# Altium PCB CT310高端控制盒基板电路V1.0.PcbDoc (part 4 of 8)
Units mil, origin at the board's own origin, x right, y up, seen from the top; angles counter-clockwise.
Board outline 8162.61 x 6196.81 mil, 2 copper layers (Top Layer, Bottom Layer), stack 65.792 mil thick; 265 components, 178 nets, 926 pads, 298 vias.
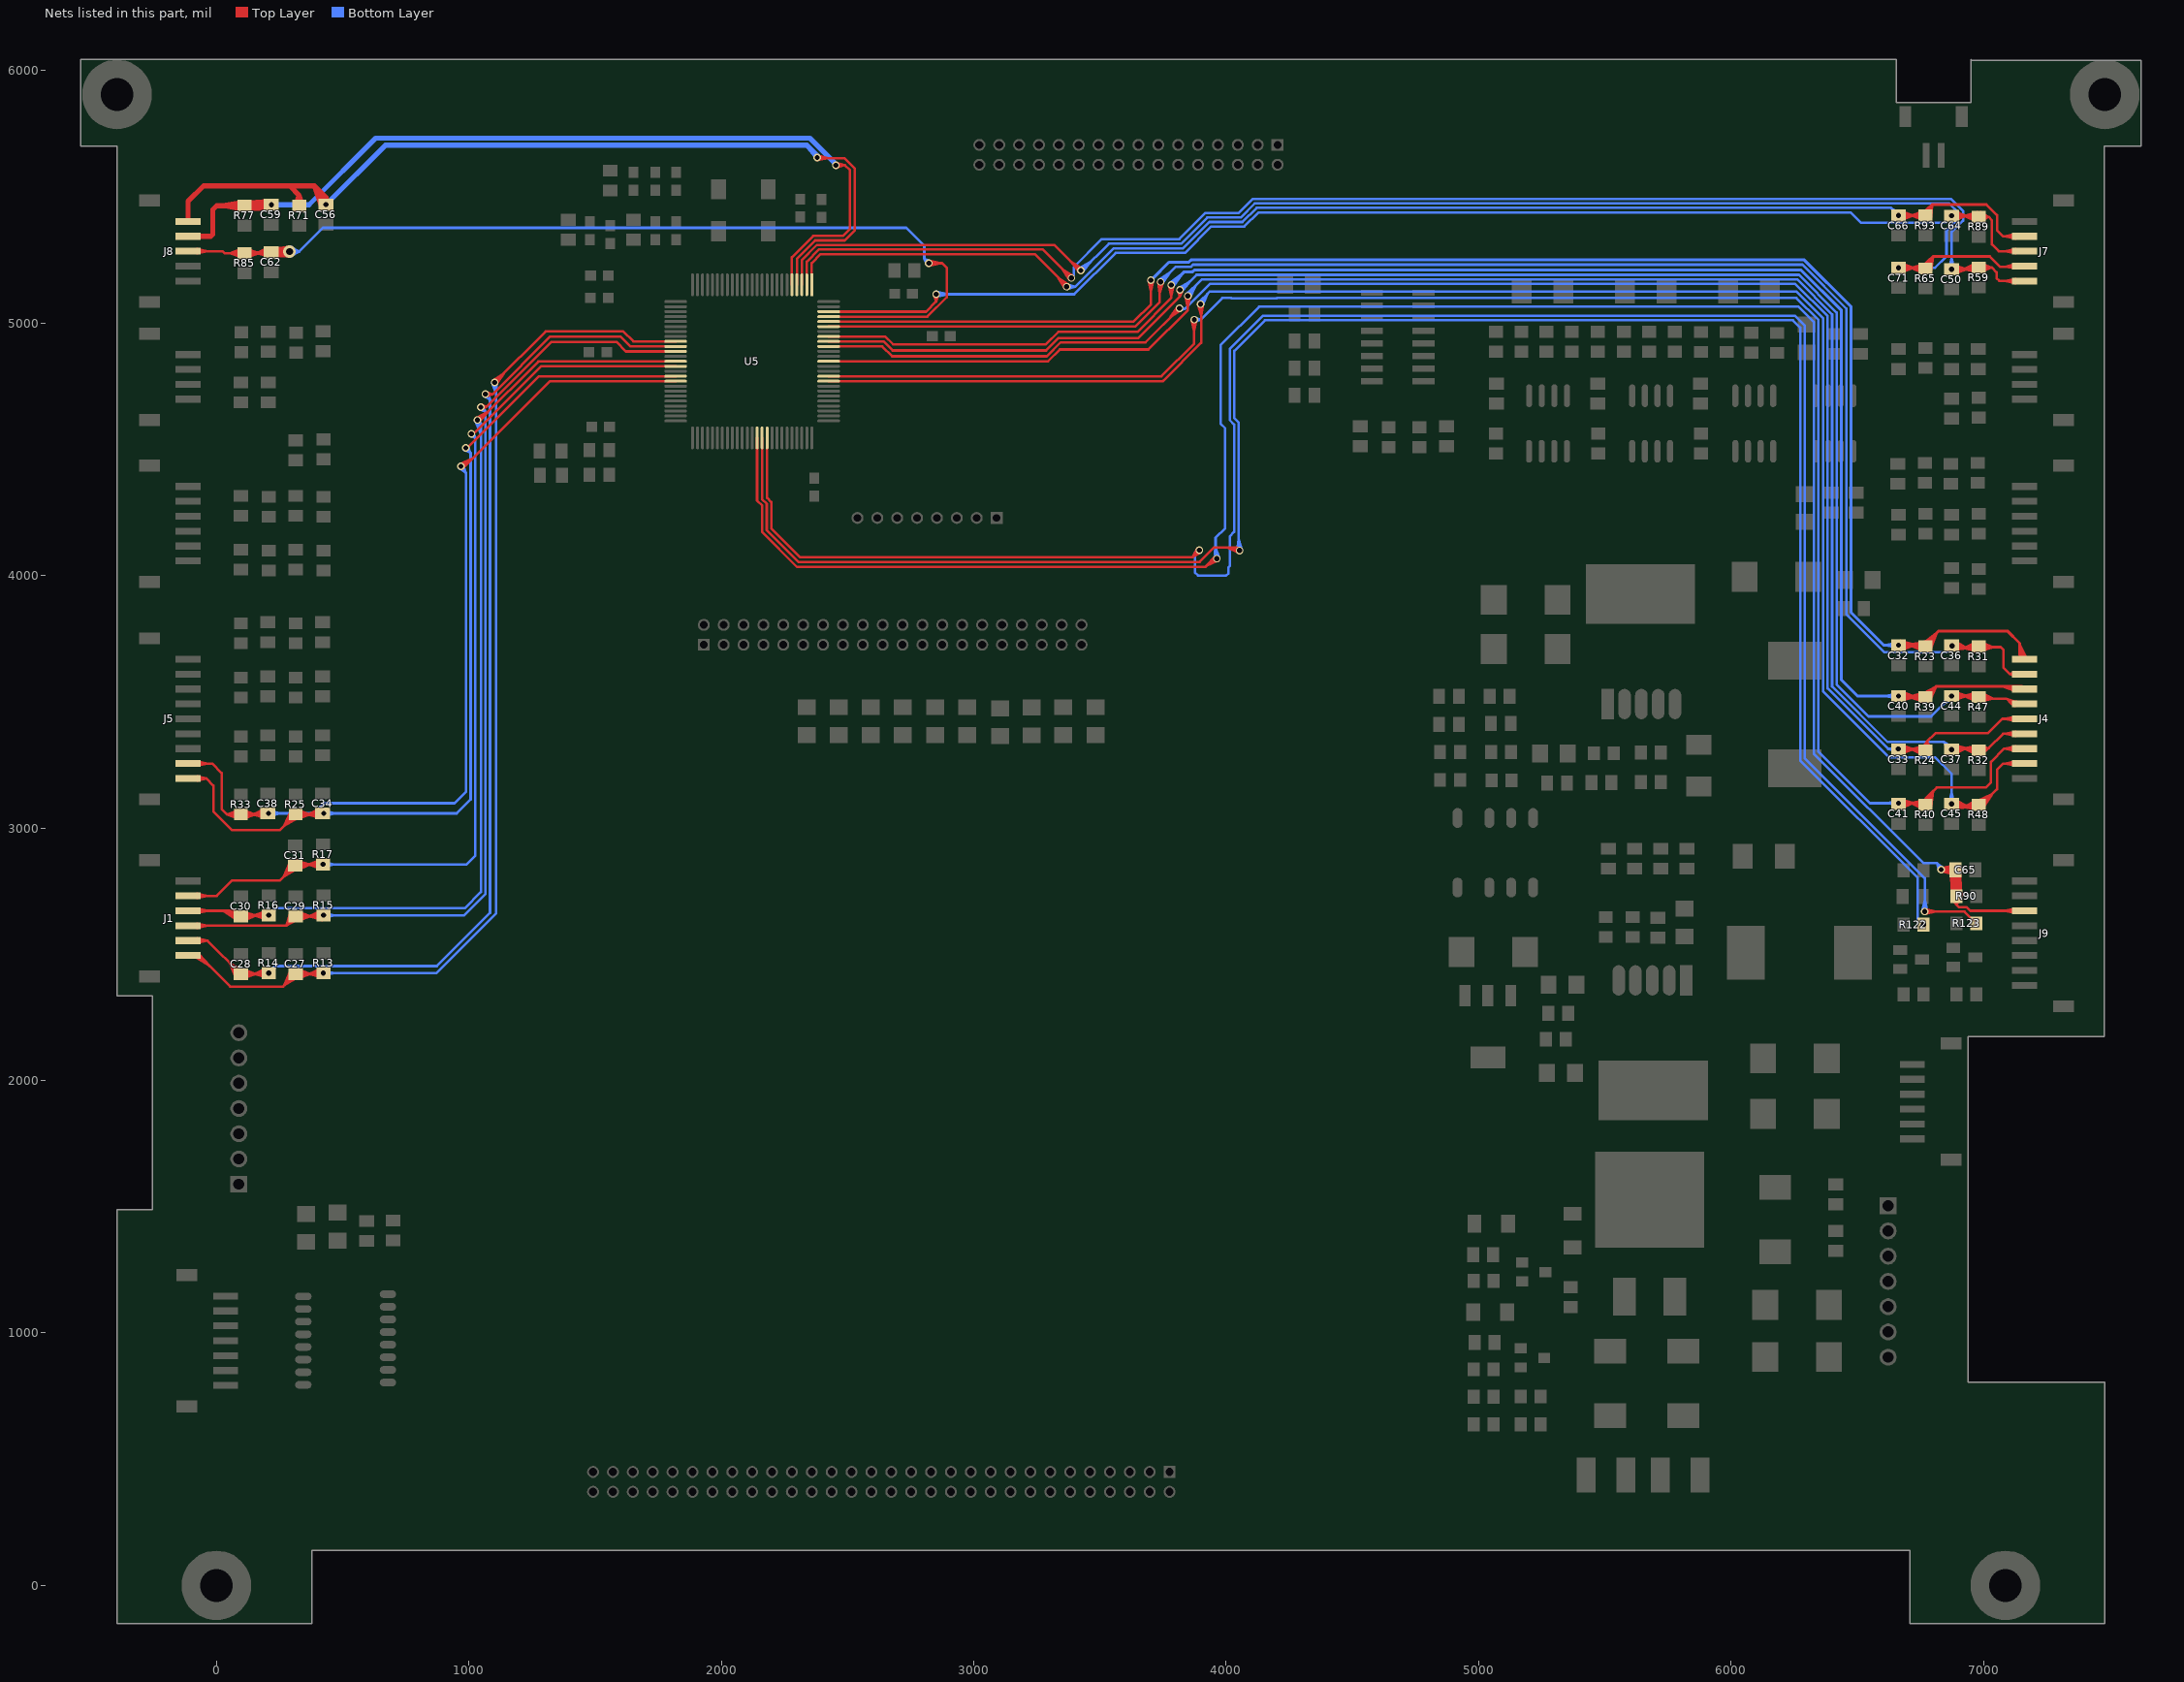
[diagram p4: the nets of this part, all layers, seen from the top]

## Via types
v1: diameter 30, hole 20, Top Layer to Bottom Layer, tented both sides, 226 vias
v2: diameter 60, hole 30, Top Layer to Bottom Layer, tented both sides, 32 vias
v3: diameter 50, hole 30, Top Layer to Bottom Layer, tented both sides, 20 vias
v4: diameter 80, hole 50, Top Layer to Bottom Layer, tented both sides, 10 vias
v5: diameter 50, hole 28, Top Layer to Bottom Layer, tented both sides, 8 vias
v6: diameter 30, hole 16, Top Layer to Bottom Layer, tented both sides, 1 vias
v7: diameter 24, hole 16, Top Layer to Bottom Layer, tented both sides, 1 vias

## Nets (pads, with @x,y where several pads share a name; then routed paths per layer and width w, separated by ;. In a path a pad name is that pad's centre, name@x,y a point inside that pad or via, vN(x,y) a via of type N, cw(c..) or ccw(c..) an arc to the next point about the centre after c; other vN are vias at no path point) (continued)
KEYSWIN_G2: C65.1 J9.3 R90.1 U5.64 | length 10802.8
  Top Layer w10: 2141.98,4470.15 U5.64@2141.98,4505.9 ; U5.64@2141.98,4545.15 2141.98,4296.3 2162,4276.28 2162,4172.18 2300.18,4034 3917,4034 3950,4067 v1(3963,4067) 3921.05,4038.05 ; v1@3956.54,4074.63 3921.05,4038.05 ; v1@3967.85,4058.25 3921.05,4038.05 ; R90.1@6875.21,2720.08 6892.92,2695.67 ; R90.1@6884.39,2724.6 6892.92,2695.67 ; R90.1@6892.92,2725.83 6892.92,2695.67 ; R90.1@6892.92,2729.77 6892.92,2695.67 ; R90.1@6901.46,2724.6 6892.92,2695.67 ; R90.1@6910.64,2720.08 6892.92,2695.67 ; J9.3@7126.21,2663.14 7083.31,2671.88 ; J9.3@7126.21,2680.61 7083.31,2671.88 ; J9.3@7127.09,2671.88 7083.31,2671.88 ; J9.3@7162.52,2671.88 6947.54,2671.88 6932.42,2687 6901.59,2687 6892.92,2695.67
  Top Layer w20: C65.1@6875.37,2828.65 R90.1@6880.56,2744.94 ; C65.1@6875.41,2827.28 R90.1@6888.99,2744.77 ; C65.1@6875.47,2826.73 R90.1@6892.4,2744.8 ; C65.1@6875.84,2824.84 R90.1@6904.33,2745.36 ; R90.1@6879.31,2734.17 C65.1@6888.99,2817.51 ; R90.1@6892.92,2729.77 6888.99,2733.71 C65.1@6888.99,2834.3 ; R90.1@6892.92,2733.71 C65.1@6888.99,2817.51 ; C65.1@6902.38,2825.93 R90.1@6880.56,2744.94 ; C65.1@6902.54,2829.78 R90.1@6904.33,2745.36 ; C65.1@6902.56,2827.28 R90.1@6888.99,2744.77 ; C65.1@6902.6,2827.84 R90.1@6892.4,2744.8 ; R90.1@6906.44,2735.45 C65.1@6888.99,2817.51 ; v1(6832,2835) v1@6832.7,2834.3 ; v1(6832,2835) 6887.34,2820.77 v1@6832.7,2834.3 ; v1(6832,2835) 6887.34,2847.82 v1@6832.7,2834.3 ; v1(6832,2835) C65.1@6888.99,2834.3 ; v1(6832,2835) C65.1@6888.99,2834.3 ; v1@6832.7,2834.3 C65.1@6888.99,2834.3 ; v1@6832.7,2834.3 C65.1@6888.99,2834.3 ; R90.1@6880.56,2744.94 C65.1@6888.99,2828.39 ; R90.1@6888.99,2744.77 C65.1@6888.99,2828.39 ; C65.1@6888.99,2828.39 R90.1@6904.33,2745.36 ; C65.1@6888.99,2828.39 R90.1@6892.4,2744.8
  Bottom Layer w10: v1@3953,4067 3958,4112.8 ; v1@3972.76,4069.16 3958,4112.8 ; v1@6822.81,2831.06 6815.71,2860.29 ; v1@6839.39,2841.74 6815.71,2860.29 ; 3958,4112.8 v1(3963,4067) 3958,4072 3958,4149.54 3995.73,4187.27 3995.73,4583.18 3978,4600.91 3978,4912.11 4130.89,5065 6267.37,5065 6328,5004.37 6328,3294.54 6762.25,2860.29 6815.71,2860.29 ; 6815.71,2860.29 6832,2844 v1(6832,2835) 6815.71,2860.29
KEYSWIN_H1: C27.1 J1.1 R13.1 U5.34 | length 6497
  Top Layer w10: J1.1@-111.93,2494.71 -67.71,2494.71 55,2372 264.3,2372 C27.1@313.97,2421.68 R13.1@423.65,2421.68 ; J1.1@-81.62,2487.58 -26.02,2453.02 ; J1.1@-76.5,2494.71 -26.02,2453.02 ; J1.1@-70.47,2501.09 -26.02,2453.02 ; C27.1@292.27,2431.53 269.14,2376.84 ; C27.1@301.17,2426.84 269.14,2376.84 ; C27.1@308.07,2421.68 269.14,2376.84 ; C27.1@314.15,2415.56 269.14,2376.84 ; C27.1@319.88,2421.68 373.5,2421.68 ; C27.1@320.04,2407.41 269.14,2376.84 ; C27.1@320.57,2413.08 373.5,2421.68 ; C27.1@320.57,2430.27 373.5,2421.68 ; C27.1@323.11,2403.34 373.5,2421.68 ; C27.1@323.11,2440.01 373.5,2421.68 ; R13.1@413.65,2425.11 R13.1@418.46,2407.08 ; R13.1@415.78,2443.67 366.54,2421.68 ; R13.1@419.01,2434.13 366.54,2421.68 ; R13.1@420.27,2416.99 366.54,2421.68 ; R13.1@420.33,2425.61 366.54,2421.68 ; R13.1@421.7,2434.81 376.8,2420.78 ; R13.1@421.83,2434.83 378.38,2421.68 ; R13.1@422.01,2434.86 378.67,2422.56 ; R13.1@422.2,2434.89 366.54,2421.68 ; R13.1@422.38,2434.92 375.81,2423.88 ; R13.1@422.84,2415.03 375.81,2423.88 ; R13.1@423.08,2415.02 378.67,2422.56 ; R13.1@423.28,2415.01 378.38,2421.68 ; R13.1@423.36,2415 366.54,2421.68 ; R13.1@423.49,2415 376.8,2420.78 ; R13.1@424.26,2425.61 v1(423.65,2425) ; R13.1@432.16,2419.74 R13.1@418.46,2407.08 ; v1@1095.65,4772.73 1138.21,4801.21 v1@1109.73,4758.65 ; v1(1102,4765) 1304,4967 1611.59,4967 1651.56,4927.03 U5.34@1819.15,4927.03 ; 1744.15,4927.03 U5.34@1779.9,4927.03 ; 366.54,2421.68 R13.1@418.46,2407.08 ; 366.54,2421.68 v1(423.65,2425) ; 375.81,2423.88 v1(423.65,2425) ; 376.8,2420.78 v1(423.65,2425) ; 378.38,2421.68 v1(423.65,2425) ; 378.67,2422.56 v1(423.65,2425) ; R13.1@418.46,2407.08 v1(423.65,2425)
  Bottom Layer w10: v1(423.65,2425) 870.46,2425 1108,2662.54 v1@1108,4770 ; v1@424.76,2415.06 468.65,2425 v1@424.76,2434.94 ; v1@1092.28,4762.64 1108,4719.13 ; v1(1102,4765) 1108,4719.13 ; v1@1112,4765.22 1108,4719.13
KEYSWIN_H2: C28.1 J1.2 R14.1 U5.35 | length 6509.1
  Top Layer w10: J1.2@-111.93,2553.77 -34.76,2553.77 ; J1.2@-76.5,2553.77 -34.76,2553.77 ; J1.2@-75.58,2545.04 -34.76,2553.77 ; J1.2@-75.58,2562.5 -34.76,2553.77 ; C28.1@75.62,2411.82 52.49,2466.51 ; C28.1@84.52,2416.51 52.49,2466.51 ; C28.1@91.42,2421.68 52.49,2466.51 ; C28.1@97.5,2427.79 52.49,2466.51 ; C28.1@103.23,2421.68 156.85,2421.68 ; C28.1@103.39,2435.94 52.49,2466.51 ; C28.1@103.93,2413.08 156.85,2421.68 ; C28.1@103.93,2430.27 156.85,2421.68 ; C28.1@106.47,2403.34 156.85,2421.68 ; C28.1@106.47,2440.01 156.85,2421.68 ; R14.1@197.63,2426.04 R14.1@201.82,2407.08 ; R14.1@197.79,2423.76 R14.1@199.14,2443.67 ; R14.1@202.37,2434.13 149.88,2421.68 ; R14.1@203.62,2416.99 149.88,2421.68 ; R14.1@203.68,2421.68 C28.1@97.33,2421.68 -34.76,2553.77 ; R14.1@203.68,2425.61 149.88,2421.68 ; R14.1@205.55,2435.4 160.41,2420.76 ; R14.1@205.67,2435.42 162.11,2421.68 ; R14.1@205.85,2435.45 162.68,2422.61 ; R14.1@206.25,2435.52 159.9,2424.06 ; R14.1@206.9,2415.64 159.9,2424.06 ; R14.1@207.17,2415.62 162.68,2422.61 ; R14.1@207.39,2415.61 162.11,2421.68 ; R14.1@207.59,2415.61 160.41,2420.76 ; R14.1@215.32,2431.99 R14.1@199.14,2443.67 ; R14.1@216.07,2420.27 R14.1@201.82,2407.08 ; v1(1066,4718) 1094.6,4718 ; v1@1067.75,4708.15 1094.6,4718 ; v1@1067.75,4727.85 1094.6,4718 ; 1744.15,4907.35 U5.35@1779.9,4907.35 ; U5.35@1819.15,4907.35 1640.24,4907.35 1601.3,4946.3 1322.89,4946.3 1094.6,4718 ; 149.88,2421.68 R14.1@201.82,2407.08 ; 149.88,2421.68 R14.1@199.14,2443.67 ; 149.88,2421.68 207.43,2415.61 149.88,2421.68 ; 149.88,2421.68 206.08,2435.49 149.88,2421.68 ; 149.88,2421.68 v1(207.62,2425.61) ; 149.88,2421.68 v1(207.62,2425.61) ; 159.9,2424.06 v1(207.62,2425.61) ; 160.41,2420.76 v1(207.62,2425.61) ; 162.11,2421.68 v1(207.62,2425.61) ; 162.68,2422.61 v1(207.62,2425.61) ; R14.1@199.14,2443.67 v1(207.62,2425.61) ; R14.1@201.82,2407.08 v1(207.62,2425.61)
  Bottom Layer w10: v1@201.52,2433.54 235.01,2453 ; v1(207.62,2425.61) 235.01,2453 ; v1@215.54,2419.51 235.01,2453 ; v1@1059.41,4710.48 1084,4695.6 ; v1@1063.8,4715.8 1084,4695.6 ; v1(1066,4718) 1084,4695.6 ; v1@1074.77,4722.81 1084,4695.6 ; 235.01,2453 873,2453 1084,2664 1084,4695.6
KEYSWIN_H3: C29.1 J1.3 R15.1 U5.36 | length 6209.3
  Top Layer w10: J1.3@-111.93,2612.82 276.62,2612.82 ; J1.3@-76.5,2612.82 -32.72,2612.82 ; J1.3@-75.62,2604.09 -32.72,2612.82 ; J1.3@-75.62,2621.56 -32.72,2612.82 ; C29.1@291.8,2659.23 276.62,2612.82 ; C29.1@301.01,2655.12 276.62,2612.82 ; C29.1@308.07,2650.18 276.62,2612.82 ; C29.1@314.15,2644.06 276.62,2612.82 ; C29.1@319.77,2635.69 276.62,2612.82 ; C29.1@319.88,2650.18 373.5,2650.18 ; C29.1@320.57,2641.58 373.5,2650.18 ; C29.1@320.57,2658.77 373.5,2650.18 ; C29.1@323.11,2631.84 373.5,2650.18 ; C29.1@323.11,2668.51 373.5,2650.18 ; R15.1@414.27,2654.54 R15.1@418.46,2635.58 ; R15.1@414.44,2652.26 R15.1@415.78,2672.17 ; R15.1@419.01,2662.63 366.52,2650.18 ; R15.1@420.27,2645.49 366.52,2650.18 ; R15.1@420.33,2650.18 C29.1@313.97,2650.18 276.62,2612.82 ; R15.1@420.33,2654.11 366.52,2650.18 ; R15.1@422.2,2663.9 377.06,2649.26 ; R15.1@422.32,2663.92 378.75,2650.18 ; R15.1@422.5,2663.95 379.33,2651.11 ; R15.1@422.89,2664.02 376.55,2652.56 ; R15.1@423.54,2644.14 376.55,2652.56 ; R15.1@423.82,2644.12 379.33,2651.11 ; R15.1@424.03,2644.11 378.75,2650.18 ; R15.1@424.23,2644.11 377.06,2649.26 ; R15.1@431.96,2660.49 R15.1@415.78,2672.17 ; R15.1@432.72,2648.77 R15.1@418.46,2635.58 ; v1(1048,4667) 1069.05,4667 ; v1@1050.37,4657.29 1069.05,4667 ; v1@1050.37,4676.71 1069.05,4667 ; 1744.15,4887.66 U5.36@1779.9,4887.66 ; U5.36@1819.15,4887.66 1621.93,4887.66 1584.3,4925.3 1327.35,4925.3 1069.05,4667 ; 366.52,2650.18 R15.1@418.46,2635.58 ; 366.52,2650.18 R15.1@415.78,2672.17 ; 366.52,2650.18 424.08,2644.11 366.52,2650.18 ; 366.52,2650.18 422.73,2663.99 366.52,2650.18 ; 366.52,2650.18 v1(424.26,2654.11) ; 366.52,2650.18 v1(424.26,2654.11) ; 376.55,2652.56 v1(424.26,2654.11) ; 377.06,2649.26 v1(424.26,2654.11) ; 378.75,2650.18 v1(424.26,2654.11) ; 379.33,2651.11 v1(424.26,2654.11) ; R15.1@415.78,2672.17 v1(424.26,2654.11) ; R15.1@418.46,2635.58 v1(424.26,2654.11)
  Bottom Layer w10: v1(424.26,2654.11) 981.57,2654.11 1066,2738.54 1066,4649 ; v1@425.38,2644.17 469.26,2654.11 v1@425.38,2664.05 ; v1@1042.46,4658.68 1066,4649 ; v1(1048,4667) 1066,4649 ; v1@1056.32,4672.54 1066,4649
KEYSWIN_H4: C30.1 J1.4 R16.1 U5.38 | length 6404.2
  Top Layer w10: J1.4@-111.93,2671.88 75.62,2671.88 93.39,2654.11 v1(207.62,2654.11) ; J1.4@-76.5,2671.88 -32.72,2671.88 ; J1.4@-75.62,2663.14 -32.72,2671.88 ; J1.4@-75.62,2680.61 -32.72,2671.88 ; C30.1@83.29,2633.42 25.41,2671.88 ; C30.1@88.23,2642.17 25.41,2671.88 ; C30.1@91.42,2650.18 25.41,2671.88 ; C30.1@93.6,2658.52 25.41,2671.88 ; C30.1@94.82,2668.49 25.41,2671.88 ; C30.1@103.23,2650.18 156.98,2654.11 ; C30.1@103.29,2658.8 156.98,2654.11 ; C30.1@104.55,2641.65 156.98,2654.11 ; C30.1@105.1,2668.7 156.98,2654.11 ; C30.1@107.78,2632.12 156.98,2654.11 ; R16.1@197.69,2652.95 R16.1@200.45,2672.45 ; R16.1@197.69,2655.27 R16.1@200.45,2635.77 ; R16.1@202.99,2645.52 150.06,2654.11 ; R16.1@202.99,2662.71 150.06,2654.11 ; R16.1@203.68,2654.11 150.06,2654.11 ; R16.1@206.23,2644.21 160.08,2655.74 ; R16.1@206.23,2664.01 160.08,2652.48 ; R16.1@206.91,2644.14 160.08,2652.48 ; R16.1@206.91,2664.09 160.08,2655.74 ; R16.1@215.7,2648.22 R16.1@200.45,2635.77 ; R16.1@215.7,2660 R16.1@200.45,2672.45 ; v1@1028.67,4624.46 1075.63,4648.12 ; v1@1040.83,4608.7 1075.63,4648.12 ; 1744.14,4847.9 U5.38@1779.9,4848.29 ; U5.38@1819.15,4848.29 1818.75,4847.9 1275.41,4847.9 1043.51,4616 v1(1034,4616) 1075.63,4648.12 ; 150.06,2654.11 R16.1@200.45,2635.77 ; 150.06,2654.11 R16.1@200.45,2672.45 ; 150.06,2654.11 206.75,2644.15 150.06,2654.11 ; 150.06,2654.11 206.75,2664.07 150.06,2654.11 ; 150.06,2654.11 v1(207.62,2654.11) ; 150.06,2654.11 v1(207.62,2654.11) ; 160.08,2652.48 v1(207.62,2654.11) ; 160.08,2655.74 v1(207.62,2654.11) ; 162.62,2654.11 206.51,2644.17 162.62,2654.11 ; 162.62,2654.11 206.51,2664.05 162.62,2654.11 ; 162.62,2654.11 v1(207.62,2654.11) ; R16.1@200.45,2635.77 v1(207.62,2654.11) ; R16.1@200.45,2672.45 v1(207.62,2654.11)
  Bottom Layer w10: v1@201.5,2662.02 235.62,2682.11 ; v1(207.62,2654.11) 235.62,2682.11 ; v1@215.53,2647.99 235.62,2682.11 ; v1@1024.51,4612.84 1048,4558.08 ; v1@1043.88,4617.53 1048,4558.08 ; 235.62,2682.11 984.11,2682.11 1048,2746 1048,4602 v1(1034,4616) 1048,4558.08
KEYSWIN_H5: C31.1 J1.5 R17.1 U5.39 | length 5911.7
  Top Layer w10: J1.5@-111.93,2730.93 1.93,2730.93 63,2792 252.05,2792 C31.1@311.97,2851.93 315.91,2855.86 v1(422.26,2855.86) ; J1.5@-76.5,2730.93 -32.72,2730.93 ; J1.5@-75.62,2722.2 -32.72,2730.93 ; J1.5@-75.62,2739.67 -32.72,2730.93 ; C31.1@290.27,2861.78 267.14,2807.09 ; C31.1@299.17,2857.09 267.14,2807.09 ; C31.1@306.07,2851.93 267.14,2807.09 ; C31.1@312.15,2845.81 267.14,2807.09 ; C31.1@317.88,2851.93 371.66,2855.86 ; C31.1@317.94,2860.55 371.66,2855.86 ; C31.1@318.04,2837.66 267.14,2807.09 ; C31.1@319.19,2843.4 371.66,2855.86 ; C31.1@319.75,2870.45 371.66,2855.86 ; C31.1@322.43,2833.87 371.66,2855.86 ; R17.1@412.33,2854.7 R17.1@415.09,2874.2 ; R17.1@412.33,2857.02 R17.1@415.09,2837.52 ; R17.1@417.63,2847.27 364.71,2855.86 ; R17.1@417.63,2864.46 364.71,2855.86 ; R17.1@418.33,2855.86 364.71,2855.86 ; R17.1@420.87,2845.96 374.73,2857.49 ; R17.1@420.87,2865.76 374.73,2854.23 ; R17.1@421.55,2845.89 374.73,2854.23 ; R17.1@421.55,2865.84 374.73,2857.49 ; R17.1@430.35,2849.97 R17.1@415.09,2837.52 ; R17.1@430.35,2861.75 R17.1@415.09,2874.2 ; v1(1010,4561) 1018.6,4561 1285.81,4828.21 1818.75,4828.21 U5.39@1819.15,4828.61 ; 1744.14,4828.21 U5.39@1779.9,4828.61 ; 364.71,2855.86 R17.1@415.09,2837.52 ; 364.71,2855.86 R17.1@415.09,2874.2 ; 364.71,2855.86 421.4,2845.9 364.71,2855.86 ; 364.71,2855.86 421.4,2865.82 364.71,2855.86 ; 364.71,2855.86 v1(422.26,2855.86) ; 364.71,2855.86 v1(422.26,2855.86) ; 374.73,2854.23 v1(422.26,2855.86) ; 374.73,2857.49 v1(422.26,2855.86) ; 377.26,2855.86 421.15,2845.92 377.26,2855.86 ; 377.26,2855.86 421.15,2865.8 377.26,2855.86 ; 377.26,2855.86 v1(422.26,2855.86) ; R17.1@415.09,2837.52 v1(422.26,2855.86) ; R17.1@415.09,2874.2 v1(422.26,2855.86)
  Bottom Layer w10: v1(422.26,2855.86) 990.86,2855.86 1026,2891 1026,4545 ; v1@423.38,2845.92 467.26,2855.86 v1@423.38,2865.8 ; v1@1004.67,4552.54 1026,4545 ; v1(1010,4561) 1026,4545 ; v1@1018.46,4566.33 1026,4545
KEYSWIN_I1: C50.1 J7.5 R59.1 U5.2 | length 7180.5
  Top Layer w10: U5.2@2338.83,5151.44 2338.83,5243.46 2386.37,5291 3274,5291 3375,5190 v1(3387,5178) 3350.79,5214.21 ; U5.2@2338.83,5190.69 2338.83,5226.44 ; v1@3379.27,5171.65 3350.79,5214.21 ; v1@3393.35,5185.73 3350.79,5214.21 ; C50.1@6873.97,5202.69 6921.39,5210.81 ; C50.1@6873.97,5222.64 6921.39,5214.53 ; C50.1@6874.74,5202.77 6921.39,5214.53 ; C50.1@6874.74,5222.56 6921.39,5210.81 ; C50.1@6879.22,5212.67 6932.84,5212.67 ; C50.1@6879.92,5204.07 6932.84,5212.67 ; C50.1@6879.92,5221.26 6932.84,5212.67 ; C50.1@6882.46,5194.33 6932.84,5212.67 ; C50.1@6882.46,5231 6932.84,5212.67 ; R59.1@6970.87,5237.46 6922.09,5212.67 ; R59.1@6974.59,5228.1 6922.09,5212.67 ; R59.1@6975.56,5201.06 6922.09,5212.67 ; R59.1@6976.36,5219.67 6922.09,5212.67 ; R59.1@6976.78,5211.05 6922.09,5212.67 ; R59.1@6984.23,5219.67 7032.93,5219.67 ; R59.1@6985,5211.08 7032.93,5219.67 ; R59.1@6985,5228.25 7032.93,5219.67 ; R59.1@6987.79,5201.39 7032.93,5219.67 ; R59.1@6987.79,5237.94 7032.93,5219.67 ; J7.5@7125.99,5157.47 7083.31,5167.3 ; J7.5@7126.43,5174.94 7083.31,5167.3 ; J7.5@7127.09,5166.18 7083.31,5167.3 ; J7.5@7162.52,5166.18 7161.41,5167.3 7062.3,5167.3 7051.3,5178.3 7051.3,5201.3 7032.93,5219.67 ; v1(6873.32,5212.67) 6973.3,5212.67 R59.1@6980.3,5219.67 7032.93,5219.67 ; v1(6873.32,5212.67) 6921.39,5214.53 ; v1(6873.32,5212.67) 6918.32,5212.67 ; v1(6873.32,5212.67) 6921.39,5210.81 ; 6918.32,5212.67 6874.43,5222.6 6918.32,5212.67 ; 6918.32,5212.67 6874.43,5202.73 6918.32,5212.67
  Bottom Layer w10: 3396,5190 3396,5220.6 3507.4,5332 3814,5332 3918,5436 4049.56,5436 4105.56,5492 6871.04,5492 6919.32,5443.72 6919.32,5405.61 6873.32,5359.61 v1(6873.32,5212.67) ; v1@6863.38,5213.78 6873.32,5257.67 v1@6883.25,5213.78
KEYSWIN_I2: C71.1 J7.4 R65.1 U5.3 | length 7708.2
  Top Layer w10: U5.3@2319.15,5151.44 2319.15,5249.23 2378.91,5309 3319,5309 v1@3421.5,5206.5 ; U5.3@2319.15,5190.69 2319.15,5226.44 ; v1@3416.63,5201.24 3385.97,5242.03 ; v1(3424,5208) 3385.97,5242.03 ; v1@3429.91,5216.07 3385.97,5242.03 ; C71.1@6663.95,5208.69 6711.37,5216.81 ; C71.1@6663.95,5228.64 6711.37,5220.53 ; C71.1@6664.72,5208.77 6711.37,5220.53 ; C71.1@6664.72,5228.56 6711.37,5216.81 ; C71.1@6669.2,5218.67 6722.82,5218.67 ; C71.1@6669.89,5210.07 6722.82,5218.67 ; C71.1@6669.89,5227.26 6722.82,5218.67 ; C71.1@6672.43,5200.33 6722.82,5218.67 ; C71.1@6672.43,5237 6722.82,5218.67 ; R65.1@6759.5,5227.09 6799.8,5263.8 ; R65.1@6762.1,5197.53 6712.62,5218.67 ; R65.1@6764.14,5234.16 6712.62,5218.67 ; R65.1@6765.17,5207.12 6712.62,5218.67 ; R65.1@6766.13,5224.28 6712.62,5218.67 ; R65.1@6766.34,5215.67 6712.62,5218.67 ; R65.1@6766.94,5220.3 6799.8,5263.8 ; R65.1@6774.21,5215.67 6799.8,5263.8 ; R65.1@6782.12,5212.23 6799.8,5263.8 ; R65.1@6791.91,5209.86 6799.8,5263.8 ; J7.4@7125.63,5233.9 7083.29,5222.3 ; J7.4@7126.8,5216.47 7083.29,5222.3 ; J7.4@7127.09,5225.24 7083.29,5222.3 ; J7.4@7162.52,5225.24 7159.58,5222.3 7066.3,5222.3 7024.8,5263.8 6799.8,5263.8 ; v1(6663.3,5218.67) 6767.28,5218.67 R65.1@6770.28,5215.67 6770.28,5234.28 6799.8,5263.8 ; v1(6663.3,5218.67) 6711.37,5220.53 ; v1(6663.3,5218.67) 6711.37,5216.81 ; v1(6663.3,5218.67) 6708.3,5218.67 ; 6708.3,5218.67 6664.41,5228.6 6708.3,5218.67 ; 6708.3,5218.67 6664.41,5208.73 6708.3,5218.67
  Bottom Layer w10: v1@3418.2,5216.15 3462.57,5241.57 ; v1@3431.27,5201.14 3462.57,5241.57 ; v1(6663.3,5218.67) 6807.67,5218.67 6853,5264 6853,5364.75 6901.32,5413.07 6901.32,5436.26 6863.58,5474 4113.02,5474 4057.02,5418 3925.46,5418 3821.46,5314 3535,5314 3429,5208 v1(3424,5208) 3462.57,5241.57 ; v1@6664.41,5208.73 6708.3,5218.67 v1@6664.41,5228.6
KEYSWIN_J1: C56.1 J8.5 R71.1 U5.4 | length 4740
  Top Layer w10: U5.4@2299.46,5151.44 2299.46,5255 2371.46,5327 2489,5327 2529,5367 2529,5612 2488,5653 2382,5653 v1(2380,5655) 2425.11,5653 ; U5.4@2299.46,5190.69 2299.46,5226.44 ; v1@2380.67,5645.02 2425.11,5653 ; v1@2381.55,5664.88 2425.11,5653
  Top Layer w20: J8.5@-111.93,5402.41 -111.93,5482.07 -51,5543 291,5543 ; R71.1@314.5,5466.97 327.94,5506.06 ; R71.1@327.94,5464.73 327.94,5506.06 ; R71.1@341.38,5466.97 327.94,5506.06 ; 390.63,5538.17 v1(434.3,5468.67) ; 393.11,5535.24 v1(434.3,5468.67) ; 393.55,5537 v1(434.3,5468.67) ; C56.1@428.39,5468.67 389,5543 ; C56.1@439.87,5476 389,5543 ; 291,5543 389,5543 ; 291,5543 327.94,5506.06 ; 389,5543 434.3,5497.7 ; 389,5543 415.88,5463.28 v1(434.3,5468.67) ; v1(434.3,5468.67) 434.3,5497.7 ; v1(434.3,5468.67) 434.3,5497.7 ; v1(434.3,5468.67) 434.3,5497.7 ; v1(434.3,5468.67) 434.3,5497.7 ; v1(434.3,5468.67) 434.3,5497.7 ; v1(434.3,5468.67) 434.3,5497.7 ; 434.3,5497.7 421.05,5471.86 434.3,5497.7 ; 434.3,5497.7 447.54,5471.86 434.3,5497.7
  Bottom Layer w20: v1(434.3,5468.67) 669.63,5704 2339.88,5704 ; v1(2380,5655) 2339.88,5704 ; v1@2384.44,5659.44 2339.88,5704
KEYSWIN_J2: C59.1 J8.4 R77.1 U5.5 | length 6552
  Top Layer w10: U5.5@2279.78,5151.44 2279.78,5260.78 2364,5345 2481,5345 2510,5374 2510,5605 2490,5625 ; U5.5@2279.78,5190.69 2279.78,5226.44 ; v1(2454,5625) 2490,5625 ; v1@2455.39,5615.1 2490,5625 ; v1@2455.39,5634.9 2490,5625
  Top Layer w20: J8.4@-111.93,5343.35 -21.65,5343.35 ; J8.4@-76.5,5343.35 -21.65,5343.35 ; R77.1@106.25,5451.15 23.74,5464.73 ; R77.1@106.25,5478.31 23.74,5464.73 ; R77.1@107.36,5464.73 23.74,5464.73 ; R77.1@115.23,5464.73 C59.1@198.85,5464.73 ; R77.1@116.34,5451.15 C59.1@198.85,5464.73 ; R77.1@116.34,5478.31 C59.1@198.85,5464.73 ; R77.1@132.86,5475.59 v1(218.31,5468) ; R77.1@137.03,5463.65 v1(218.31,5468) ; R77.1@137.03,5463.67 v1(218.31,5468) ; R77.1@138.85,5453.45 v1(218.31,5468) ; 142.94,5464.73 v1(218.31,5468) ; 143.06,5464.73 v1(218.31,5468) ; 143.58,5475 v1(218.31,5468) ; 143.92,5456.02 v1(218.31,5468) ; 144.12,5455.72 v1(218.31,5468) ; C59.1@208.17,5481.81 R77.1@129,5453.23 ; C59.1@209.4,5455.25 R77.1@127.14,5476.53 ; C59.1@211.91,5482.29 R77.1@127.14,5476.53 ; C59.1@213.15,5455.12 R77.1@129,5453.23 ; C59.1@213.71,5464.73 R77.1@111.29,5464.73 1.73,5464.73 -14,5449 -14,5351 -21.65,5343.35 ; C59.1@217.65,5468.67 v1(218.31,5468) ; R77.1@127.14,5476.53 C59.1@211.74,5468.67 ; R77.1@127.14,5476.53 v1(218.31,5468) ; R77.1@127.14,5476.53 v1(218.31,5468) ; R77.1@127.76,5464.73 211.28,5455.05 R77.1@127.96,5464.73 ; R77.1@127.76,5464.73 210.01,5482.18 R77.1@127.96,5464.73 ; R77.1@127.76,5464.73 C59.1@211.74,5468.67 ; R77.1@127.76,5464.73 v1(218.31,5468) ; R77.1@127.96,5464.73 C59.1@211.74,5468.67 ; R77.1@127.96,5464.73 v1(218.31,5468) ; R77.1@129,5453.23 C59.1@211.74,5468.67 ; R77.1@129,5453.23 v1(218.31,5468) ; C59.1@198.85,5464.73 v1(218.31,5468) ; C59.1@198.85,5464.73 v1(218.31,5468) ; C59.1@198.85,5464.73 v1(218.31,5468) ; v1(218.31,5468) 143.3,5465.45 v1(218.31,5468)
  Bottom Layer w20: v1(218.31,5468) 367,5468 631,5732 2351.47,5732 v1@2456.24,5627.24